# KiCad board mist.kicad_pcb
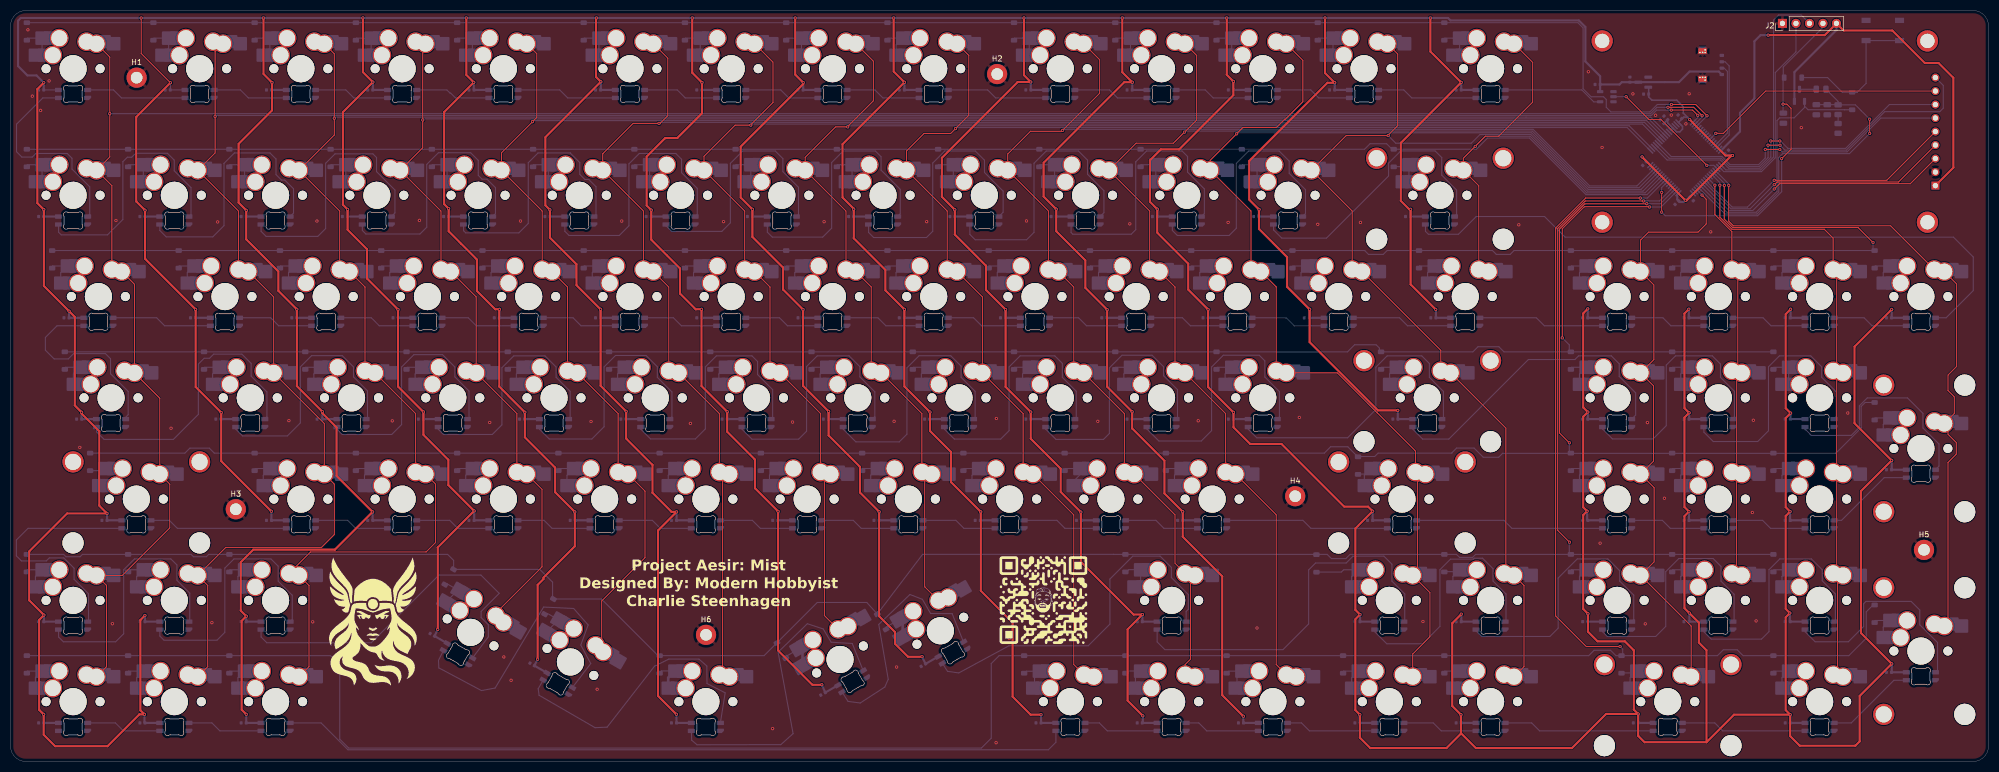
[diagram p0: board, top side]
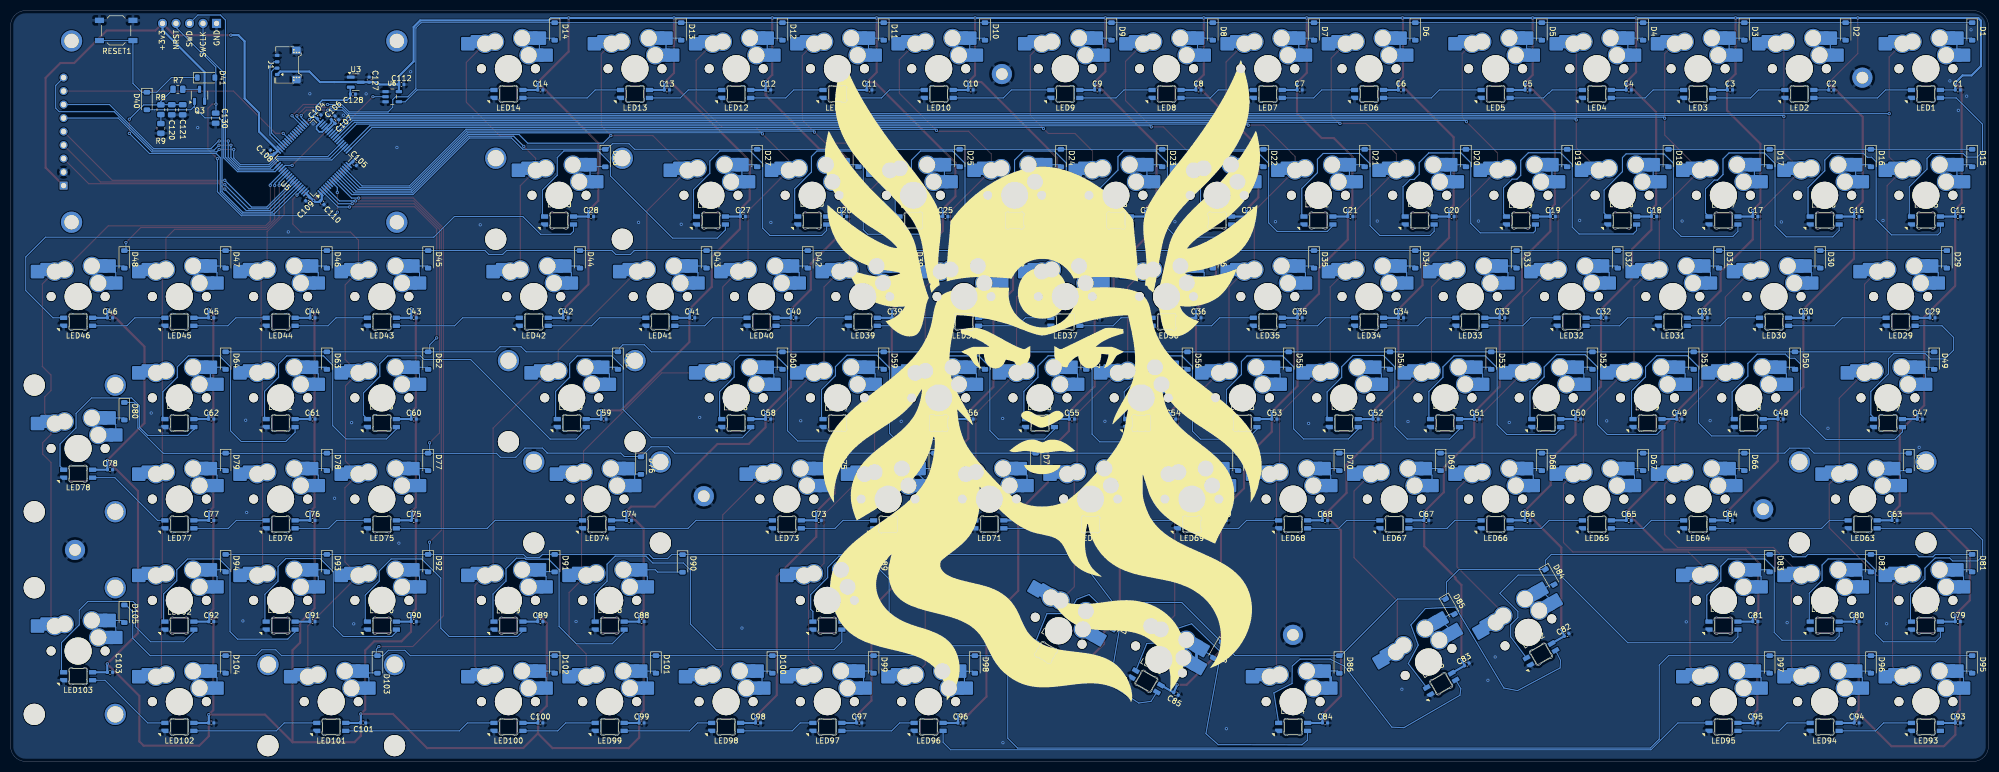
[diagram p1: board, bottom side, seen from below]

Outline 372.11 x 141.22 mm; copper layers: Top, Bottom. Coordinates in mm from the lower left corner of the outline.
Outline path: 369.43,141.21 369.58,141.2 369.72,141.18 369.85,141.16 369.99,141.13 370.12,141.09 370.26,141.04 370.38,140.99 370.51,140.94 370.63,140.87 370.75,140.81 370.86,140.73 370.97,140.65 371.08,140.57 371.18,140.48 371.28,140.39 371.37,140.29 371.46,140.19 371.55,140.08 371.63,139.97 371.7,139.86 371.77,139.74 371.83,139.62 371.89,139.49 371.94,139.36 371.98,139.23 372.02,139.1 372.05,138.96 372.08,138.82 372.1,138.68 372.11,138.54 372.11,138.39 372.11,2.82 372.11,2.68 372.1,2.53 372.08,2.39 372.05,2.26 372.02,2.12 371.98,1.99 371.94,1.85 371.89,1.73 371.83,1.6 371.77,1.48 371.7,1.36 371.63,1.25 371.55,1.14 371.46,1.03 371.37,0.93 371.28,0.83 371.18,0.74 371.08,0.65 370.97,0.56 370.86,0.48 370.75,0.41 370.63,0.34 370.51,0.28 370.38,0.22 370.26,0.17 370.12,0.13 369.99,0.09 369.85,0.06 369.72,0.03 369.58,0.01 369.43,0 369.29,0 2.82,0 2.68,0 2.53,0.01 2.39,0.03 2.26,0.06 2.12,0.09 1.99,0.13 1.85,0.17 1.73,0.22 1.6,0.28 1.48,0.34 1.36,0.41 1.25,0.48 1.14,0.56 1.03,0.65 0.93,0.74 0.83,0.83 0.74,0.93 0.65,1.03 0.56,1.14 0.48,1.25 0.41,1.36 0.34,1.48 0.28,1.6 0.22,1.73 0.17,1.85 0.13,1.99 0.09,2.12 0.06,2.26 0.03,2.39 0.01,2.53 0,2.68 0,2.82 0,138.39 0,138.54 0.01,138.68 0.03,138.82 0.06,138.96 0.09,139.1 0.13,139.23 0.17,139.36 0.22,139.49 0.28,139.62 0.34,139.74 0.41,139.86 0.48,139.97 0.56,140.08 0.65,140.19 0.74,140.29 0.83,140.39 0.93,140.48 1.03,140.57 1.14,140.65 1.25,140.73 1.36,140.81 1.48,140.87 1.6,140.94 1.73,140.99 1.85,141.04 1.99,141.09 2.12,141.13 2.26,141.16 2.39,141.18 2.53,141.2 2.68,141.21 2.82,141.22 369.29,141.22 closed
Stack: Top 0.035mm / dielectric 1.51mm FR4 er 4.5 / Bottom 0.035mm

## Placement (name value [footprint] x y rotation side)
C1  0.1uF  [C_0402_1005Metric]  5.75 126.3 180 bottom
C2  0.1uF  [C_0402_1005Metric]  29.56 126.3 180 bottom
C3  0.1uF  [C_0402_1005Metric]  48.61 126.3 180 bottom
C4  0.1uF  [C_0402_1005Metric]  67.66 126.3 180 bottom
C5  0.1uF  [C_0402_1005Metric]  86.71 126.3 180 bottom
C6  0.1uF  [C_0402_1005Metric]  110.52 126.3 180 bottom
C7  0.1uF  [C_0402_1005Metric]  129.57 126.3 180 bottom
C8  0.1uF  [C_0402_1005Metric]  148.62 126.3 180 bottom
C9  0.1uF  [C_0402_1005Metric]  167.67 126.3 180 bottom
C10  0.1uF  [C_0402_1005Metric]  191.49 126.3 180 bottom
C11  0.1uF  [C_0402_1005Metric]  210.54 126.3 180 bottom
C12  0.1uF  [C_0402_1005Metric]  229.59 126.3 180 bottom
C13  0.1uF  [C_0402_1005Metric]  248.64 126.3 180 bottom
C14  0.1uF  [C_0402_1005Metric]  272.45 126.3 180 bottom
C15  0.1uF  [C_0402_1005Metric]  5.75 102.48 180 bottom
C16  0.1uF  [C_0402_1005Metric]  24.8 102.48 180 bottom
C17  0.1uF  [C_0402_1005Metric]  43.85 102.48 180 bottom
C18  0.1uF  [C_0402_1005Metric]  62.9 102.48 180 bottom
C19  0.1uF  [C_0402_1005Metric]  81.95 102.48 180 bottom
C20  0.1uF  [C_0402_1005Metric]  101 102.48 180 bottom
C21  0.1uF  [C_0402_1005Metric]  120.05 102.48 180 bottom
C22  0.1uF  [C_0402_1005Metric]  139.1 102.48 180 bottom
C23  0.1uF  [C_0402_1005Metric]  158.15 102.48 180 bottom
C24  0.1uF  [C_0402_1005Metric]  177.2 102.48 180 bottom
C25  0.1uF  [C_0402_1005Metric]  196.25 102.48 180 bottom
C26  0.1uF  [C_0402_1005Metric]  215.3 102.48 180 bottom
C27  0.1uF  [C_0402_1005Metric]  234.35 102.48 180 bottom
C28  0.1uF  [C_0402_1005Metric]  262.92 102.48 180 bottom
C29  0.1uF  [C_0402_1005Metric]  10.51 83.43 180 bottom
C30  0.1uF  [C_0402_1005Metric]  34.32 83.43 180 bottom
C31  0.1uF  [C_0402_1005Metric]  53.37 83.43 180 bottom
C32  0.1uF  [C_0402_1005Metric]  72.42 83.43 180 bottom
C33  0.1uF  [C_0402_1005Metric]  91.47 83.43 180 bottom
C34  0.1uF  [C_0402_1005Metric]  110.52 83.43 180 bottom
C35  0.1uF  [C_0402_1005Metric]  129.57 83.43 180 bottom
C36  0.1uF  [C_0402_1005Metric]  148.62 83.43 180 bottom
C37  0.1uF  [C_0402_1005Metric]  167.67 83.43 180 bottom
C38  0.1uF  [C_0402_1005Metric]  186.72 83.43 180 bottom
C39  0.1uF  [C_0402_1005Metric]  205.77 83.43 180 bottom
C40  0.1uF  [C_0402_1005Metric]  224.82 83.43 180 bottom
C41  0.1uF  [C_0402_1005Metric]  243.87 83.43 180 bottom
C42  0.1uF  [C_0402_1005Metric]  267.69 83.43 180 bottom
C43  0.1uF  [C_0402_1005Metric]  296.26 83.43 180 bottom
C44  0.1uF  [C_0402_1005Metric]  315.31 83.43 180 bottom
C45  0.1uF  [C_0402_1005Metric]  334.36 83.43 180 bottom
C46  0.1uF  [C_0402_1005Metric]  353.41 83.43 180 bottom
C47  0.1uF  [C_0402_1005Metric]  12.89 64.38 180 bottom
C48  0.1uF  [C_0402_1005Metric]  39.09 64.38 180 bottom
C49  0.1uF  [C_0402_1005Metric]  58.14 64.38 180 bottom
C50  0.1uF  [C_0402_1005Metric]  77.19 64.38 180 bottom
C51  0.1uF  [C_0402_1005Metric]  96.24 64.38 180 bottom
C52  0.1uF  [C_0402_1005Metric]  115.29 64.38 180 bottom
C53  0.1uF  [C_0402_1005Metric]  134.34 64.38 180 bottom
C54  0.1uF  [C_0402_1005Metric]  153.39 64.38 180 bottom
C55  0.1uF  [C_0402_1005Metric]  172.44 64.38 180 bottom
C56  0.1uF  [C_0402_1005Metric]  191.49 64.38 180 bottom
C57  0.1uF  [C_0402_1005Metric]  210.54 64.38 180 bottom
C58  0.1uF  [C_0402_1005Metric]  229.59 64.38 180 bottom
C59  0.1uF  [C_0402_1005Metric]  260.54 64.38 180 bottom
C60  0.1uF  [C_0402_1005Metric]  296.26 64.38 180 bottom
C61  0.1uF  [C_0402_1005Metric]  315.31 64.38 180 bottom
C62  0.1uF  [C_0402_1005Metric]  334.36 64.38 180 bottom
C63  0.1uF  [C_0402_1005Metric]  17.65 45.33 180 bottom
C64  0.1uF  [C_0402_1005Metric]  48.61 45.33 180 bottom
C65  0.1uF  [C_0402_1005Metric]  67.66 45.33 180 bottom
C66  0.1uF  [C_0402_1005Metric]  86.71 45.33 180 bottom
C67  0.1uF  [C_0402_1005Metric]  105.76 45.33 180 bottom
C68  0.1uF  [C_0402_1005Metric]  124.81 45.33 180 bottom
C69  0.1uF  [C_0402_1005Metric]  143.86 45.33 180 bottom
C70  0.1uF  [C_0402_1005Metric]  162.91 45.33 180 bottom
C71  0.1uF  [C_0402_1005Metric]  181.96 45.33 180 bottom
C72  0.1uF  [C_0402_1005Metric]  201.01 45.33 180 bottom
C73  0.1uF  [C_0402_1005Metric]  220.06 45.33 180 bottom
C74  0.1uF  [C_0402_1005Metric]  255.78 45.33 180 bottom
C75  0.1uF  [C_0402_1005Metric]  296.26 45.33 180 bottom
C76  0.1uF  [C_0402_1005Metric]  315.31 45.33 180 bottom
C77  0.1uF  [C_0402_1005Metric]  334.36 45.33 180 bottom
C78  0.1uF  [C_0402_1005Metric]  353.41 54.86 180 bottom
C79  0.1uF  [C_0402_1005Metric]  5.75 26.28 180 bottom
C80  0.1uF  [C_0402_1005Metric]  24.8 26.28 180 bottom
C81  0.1uF  [C_0402_1005Metric]  43.85 26.28 180 bottom
C82  0.1uF  [C_0402_1005Metric]  79.35 23.81 150 bottom
C83  0.1uF  [C_0402_1005Metric]  98.13 18.24 150 bottom
C84  0.1uF  [C_0402_1005Metric]  124.81 7.23 180 bottom
C85  0.1uF  [C_0402_1005Metric]  152.85 12.7 210 bottom
C86  0.1uF  [C_0402_1005Metric]  171.73 18.1 210 bottom
C87  0.1uF  [C_0402_1005Metric]  212.44 26.28 180 bottom
C88  0.1uF  [C_0402_1005Metric]  253.4 26.28 180 bottom
C89  0.1uF  [C_0402_1005Metric]  272.45 26.28 180 bottom
C90  0.1uF  [C_0402_1005Metric]  296.26 26.28 180 bottom
C91  0.1uF  [C_0402_1005Metric]  315.31 26.28 180 bottom
C92  0.1uF  [C_0402_1005Metric]  334.36 26.28 180 bottom
C93  0.1uF  [C_0402_1005Metric]  5.75 7.23 180 bottom
C94  0.1uF  [C_0402_1005Metric]  24.8 7.23 180 bottom
C95  0.1uF  [C_0402_1005Metric]  43.85 7.23 180 bottom
C96  0.1uF  [C_0402_1005Metric]  193.39 7.23 180 bottom
C97  0.1uF  [C_0402_1005Metric]  212.44 7.23 180 bottom
C98  0.1uF  [C_0402_1005Metric]  231.49 7.23 180 bottom
C99  0.1uF  [C_0402_1005Metric]  253.4 7.23 180 bottom
C100  0.1uF  [C_0402_1005Metric]  272.45 7.23 180 bottom
C101  0.1uF  [C_0402_1005Metric]  305.79 7.23 180 bottom
C102  0.1uF  [C_0402_1005Metric]  334.36 7.23 180 bottom
C103  0.1uF  [C_0402_1005Metric]  353.41 16.76 180 bottom
C104  100nF  [C_0402_1005Metric]  314.06 121.25 135 bottom
C105  100nF  [C_0402_1005Metric]  307.41 112.44 225 bottom
C106  100nF  [C_0402_1005Metric]  311.42 121.05 135 bottom
C107  100nF  [C_0402_1005Metric]  310.72 120.35 135 bottom
C108  100nF  [C_0402_1005Metric]  322.88 114.64 45 bottom
C109  100nF  [C_0402_1005Metric]  316.26 105.8 315 bottom
C110  100nF  [C_0402_1005Metric]  313.5 105.1 225 bottom
C112  0.1uF  [C_0402_1005Metric]  298.59 127.33 180 bottom
C120  100n  [C_0805_2012Metric]  341.8 122.58 90 bottom
C121  100n  [C_0805_2012Metric]  339.74 122.58 90 bottom
C127  1uF  [C_0402_1005Metric]  304.66 128.24 90 bottom
C128  1uF  [C_0402_1005Metric]  307.72 125.52 180 bottom
C130  100n  [C_0805_2012Metric]  333.54 120.99 90 bottom
CH1  KS33_SW_HS  [KS-33_MX-Hotswap-1U]  11.75 130.3 0 bottom
CH2  KS33_SW_HS  [KS-33_MX-Hotswap-1U]  35.56 130.3 0 bottom
CH3  KS33_SW_HS  [KS-33_MX-Hotswap-1U]  54.61 130.3 0 bottom
CH4  KS33_SW_HS  [KS-33_MX-Hotswap-1U]  73.66 130.3 0 bottom
CH5  KS33_SW_HS  [KS-33_MX-Hotswap-1U]  92.71 130.3 0 bottom
CH6  KS33_SW_HS  [KS-33_MX-Hotswap-1U]  116.52 130.3 0 bottom
CH7  KS33_SW_HS  [KS-33_MX-Hotswap-1U]  135.57 130.3 0 bottom
CH8  KS33_SW_HS  [KS-33_MX-Hotswap-1U]  154.62 130.3 0 bottom
CH9  KS33_SW_HS  [KS-33_MX-Hotswap-1U]  173.67 130.3 0 bottom
CH10  KS33_SW_HS  [KS-33_MX-Hotswap-1U]  197.49 130.3 0 bottom
CH11  KS33_SW_HS  [KS-33_MX-Hotswap-1U]  216.54 130.3 0 bottom
CH12  KS33_SW_HS  [KS-33_MX-Hotswap-1U]  235.59 130.3 0 bottom
CH13  KS33_SW_HS  [KS-33_MX-Hotswap-1U]  254.64 130.3 0 bottom
CH14  KS33_SW_HS  [KS-33_MX-Hotswap-1U]  278.45 130.3 0 bottom
CH15  KS33_SW_HS  [KS-33_MX-Hotswap-1U]  11.75 106.48 0 bottom
CH16  KS33_SW_HS  [KS-33_MX-Hotswap-1U]  30.8 106.48 0 bottom
CH17  KS33_SW_HS  [KS-33_MX-Hotswap-1U]  49.85 106.48 0 bottom
CH18  KS33_SW_HS  [KS-33_MX-Hotswap-1U]  68.9 106.48 0 bottom
CH19  KS33_SW_HS  [KS-33_MX-Hotswap-1U]  87.95 106.48 0 bottom
CH20  KS33_SW_HS  [KS-33_MX-Hotswap-1U]  107 106.48 0 bottom
CH21  KS33_SW_HS  [KS-33_MX-Hotswap-1U]  126.05 106.48 0 bottom
CH22  KS33_SW_HS  [KS-33_MX-Hotswap-1U]  145.1 106.48 0 bottom
CH23  KS33_SW_HS  [KS-33_MX-Hotswap-1U]  164.15 106.48 0 bottom
CH24  KS33_SW_HS  [KS-33_MX-Hotswap-1U]  183.2 106.48 0 bottom
CH25  KS33_SW_HS  [KS-33_MX-Hotswap-1U]  202.25 106.48 0 bottom
CH26  KS33_SW_HS  [KS-33_MX-Hotswap-1U]  221.3 106.48 0 bottom
CH27  KS33_SW_HS  [KS-33_MX-Hotswap-1U]  240.35 106.48 0 bottom
CH28  KS33_SW_HS  [KS-33_MX-Hotswap-1U]  268.92 106.48 0 bottom
CH29  KS33_SW_HS  [KS-33_MX-Hotswap-1U]  16.51 87.43 0 bottom
CH30  KS33_SW_HS  [KS-33_MX-Hotswap-1U]  40.32 87.43 0 bottom
CH31  KS33_SW_HS  [KS-33_MX-Hotswap-1U]  59.37 87.43 0 bottom
CH32  KS33_SW_HS  [KS-33_MX-Hotswap-1U]  78.42 87.43 0 bottom
CH33  KS33_SW_HS  [KS-33_MX-Hotswap-1U]  97.47 87.43 0 bottom
CH34  KS33_SW_HS  [KS-33_MX-Hotswap-1U]  116.52 87.43 0 bottom
CH35  KS33_SW_HS  [KS-33_MX-Hotswap-1U]  135.57 87.43 0 bottom
CH36  KS33_SW_HS  [KS-33_MX-Hotswap-1U]  154.62 87.43 0 bottom
CH37  KS33_SW_HS  [KS-33_MX-Hotswap-1U]  173.67 87.43 0 bottom
CH38  KS33_SW_HS  [KS-33_MX-Hotswap-1U]  192.72 87.43 0 bottom
CH39  KS33_SW_HS  [KS-33_MX-Hotswap-1U]  211.77 87.43 0 bottom
CH40  KS33_SW_HS  [KS-33_MX-Hotswap-1U]  230.82 87.43 0 bottom
CH41  KS33_SW_HS  [KS-33_MX-Hotswap-1U]  249.87 87.43 0 bottom
CH42  KS33_SW_HS  [KS-33_MX-Hotswap-1U]  273.69 87.43 0 bottom
CH43  KS33_SW_HS  [KS-33_MX-Hotswap-1U]  302.26 87.43 0 bottom
CH44  KS33_SW_HS  [KS-33_MX-Hotswap-1U]  321.31 87.43 0 bottom
CH45  KS33_SW_HS  [KS-33_MX-Hotswap-1U]  340.36 87.43 0 bottom
CH46  KS33_SW_HS  [KS-33_MX-Hotswap-1U]  359.41 87.43 0 bottom
CH47  KS33_SW_HS  [KS-33_MX-Hotswap-1U]  18.89 68.38 0 bottom
CH48  KS33_SW_HS  [KS-33_MX-Hotswap-1U]  45.09 68.38 0 bottom
CH49  KS33_SW_HS  [KS-33_MX-Hotswap-1U]  64.14 68.38 0 bottom
CH50  KS33_SW_HS  [KS-33_MX-Hotswap-1U]  83.19 68.38 0 bottom
CH51  KS33_SW_HS  [KS-33_MX-Hotswap-1U]  102.24 68.38 0 bottom
CH52  KS33_SW_HS  [KS-33_MX-Hotswap-1U]  121.29 68.38 0 bottom
CH53  KS33_SW_HS  [KS-33_MX-Hotswap-1U]  140.34 68.38 0 bottom
CH54  KS33_SW_HS  [KS-33_MX-Hotswap-1U]  159.39 68.38 0 bottom
CH55  KS33_SW_HS  [KS-33_MX-Hotswap-1U]  178.44 68.38 0 bottom
CH56  KS33_SW_HS  [KS-33_MX-Hotswap-1U]  197.49 68.38 0 bottom
CH57  KS33_SW_HS  [KS-33_MX-Hotswap-1U]  216.54 68.38 0 bottom
CH58  KS33_SW_HS  [KS-33_MX-Hotswap-1U]  235.59 68.38 0 bottom
CH59  KS33_SW_HS  [KS-33_MX-Hotswap-1U]  266.54 68.38 0 bottom
CH60  KS33_SW_HS  [KS-33_MX-Hotswap-1U]  302.26 68.38 0 bottom
CH61  KS33_SW_HS  [KS-33_MX-Hotswap-1U]  321.31 68.38 0 bottom
CH62  KS33_SW_HS  [KS-33_MX-Hotswap-1U]  340.36 68.38 0 bottom
CH63  KS33_SW_HS  [KS-33_MX-Hotswap-1U]  23.65 49.33 0 bottom
CH64  KS33_SW_HS  [KS-33_MX-Hotswap-1U]  54.61 49.33 0 bottom
CH65  KS33_SW_HS  [KS-33_MX-Hotswap-1U]  73.66 49.33 0 bottom
CH66  KS33_SW_HS  [KS-33_MX-Hotswap-1U]  92.71 49.33 0 bottom
CH67  KS33_SW_HS  [KS-33_MX-Hotswap-1U]  111.76 49.33 0 bottom
CH68  KS33_SW_HS  [KS-33_MX-Hotswap-1U]  130.81 49.33 0 bottom
CH69  KS33_SW_HS  [KS-33_MX-Hotswap-1U]  149.86 49.33 0 bottom
CH70  KS33_SW_HS  [KS-33_MX-Hotswap-1U]  168.91 49.33 0 bottom
CH71  KS33_SW_HS  [KS-33_MX-Hotswap-1U]  187.96 49.33 0 bottom
CH72  KS33_SW_HS  [KS-33_MX-Hotswap-1U]  207.01 49.33 0 bottom
CH73  KS33_SW_HS  [KS-33_MX-Hotswap-1U]  226.06 49.33 0 bottom
CH74  KS33_SW_HS  [KS-33_MX-Hotswap-1U]  261.78 49.33 0 bottom
CH75  KS33_SW_HS  [KS-33_MX-Hotswap-1U]  302.26 49.33 0 bottom
CH76  KS33_SW_HS  [KS-33_MX-Hotswap-1U]  321.31 49.33 0 bottom
CH77  KS33_SW_HS  [KS-33_MX-Hotswap-1U]  340.36 49.33 0 bottom
CH78  KS33_SW_HS  [KS-33_MX-Hotswap-1U]  359.41 58.86 0 bottom
CH79  KS33_SW_HS  [KS-33_MX-Hotswap-1U]  11.75 30.28 0 bottom
CH80  KS33_SW_HS  [KS-33_MX-Hotswap-1U]  30.8 30.28 0 bottom
CH81  KS33_SW_HS  [KS-33_MX-Hotswap-1U]  49.85 30.28 0 bottom
CH82  KS33_SW_HS  [KS-33_MX-Hotswap-1U]  86.54 24.27 330 bottom
CH83  KS33_SW_HS  [KS-33_MX-Hotswap-1U]  105.33 18.7 330 bottom
CH84  KS33_SW_HS  [KS-33_MX-Hotswap-1U]  130.81 11.23 0 bottom
CH85  KS33_SW_HS  [KS-33_MX-Hotswap-1U]  156.04 19.17 30 bottom
CH86  KS33_SW_HS  [KS-33_MX-Hotswap-1U]  174.92 24.57 30 bottom
CH87  KS33_SW_HS  [KS-33_MX-Hotswap-1U]  218.44 30.28 0 bottom
CH88  KS33_SW_HS  [KS-33_MX-Hotswap-1U]  259.4 30.28 0 bottom
CH89  KS33_SW_HS  [KS-33_MX-Hotswap-1U]  278.45 30.28 0 bottom
CH90  KS33_SW_HS  [KS-33_MX-Hotswap-1U]  302.26 30.28 0 bottom
CH91  KS33_SW_HS  [KS-33_MX-Hotswap-1U]  321.31 30.28 0 bottom
CH92  KS33_SW_HS  [KS-33_MX-Hotswap-1U]  340.36 30.28 0 bottom
CH93  KS33_SW_HS  [KS-33_MX-Hotswap-1U]  11.75 11.23 0 bottom
CH94  KS33_SW_HS  [KS-33_MX-Hotswap-1U]  30.8 11.23 0 bottom
CH95  KS33_SW_HS  [KS-33_MX-Hotswap-1U]  49.85 11.23 0 bottom
CH96  KS33_SW_HS  [KS-33_MX-Hotswap-1U]  199.39 11.23 0 bottom
CH97  KS33_SW_HS  [KS-33_MX-Hotswap-1U]  218.44 11.23 0 bottom
CH98  KS33_SW_HS  [KS-33_MX-Hotswap-1U]  237.49 11.23 0 bottom
CH99  KS33_SW_HS  [KS-33_MX-Hotswap-1U]  259.4 11.23 0 bottom
CH100  KS33_SW_HS  [KS-33_MX-Hotswap-1U]  278.45 11.23 0 bottom
CH101  KS33_SW_HS  [KS-33_MX-Hotswap-1U]  311.79 11.23 0 bottom
CH102  KS33_SW_HS  [KS-33_MX-Hotswap-1U]  340.36 11.23 0 bottom
CH103  KS33_SW_HS  [KS-33_MX-Hotswap-1U]  359.41 20.76 0 bottom
D1  D  [D_SOD-123]  3.05 137.3 270 bottom
D2  D  [D_SOD-123]  26.86 137.3 270 bottom
D3  D  [D_SOD-123]  45.91 137.3 270 bottom
D4  D  [D_SOD-123]  64.96 137.3 270 bottom
D5  D  [D_SOD-123]  84.01 137.3 270 bottom
D6  D  [D_SOD-123]  107.82 137.3 270 bottom
D7  D  [D_SOD-123]  126.87 137.3 270 bottom
D8  D  [D_SOD-123]  145.92 137.3 270 bottom
D9  D  [D_SOD-123]  164.97 137.3 270 bottom
D10  D  [D_SOD-123]  188.79 137.3 270 bottom
D11  D  [D_SOD-123]  207.84 137.3 270 bottom
D12  D  [D_SOD-123]  226.89 137.3 270 bottom
D13  D  [D_SOD-123]  245.94 137.3 270 bottom
D14  D  [D_SOD-123]  269.75 137.3 270 bottom
D15  D  [D_SOD-123]  3.05 113.48 270 bottom
D16  D  [D_SOD-123]  22.1 113.48 270 bottom
D17  D  [D_SOD-123]  41.15 113.48 270 bottom
D18  D  [D_SOD-123]  60.2 113.48 270 bottom
D19  D  [D_SOD-123]  79.25 113.48 270 bottom
D20  D  [D_SOD-123]  98.3 113.48 270 bottom
D21  D  [D_SOD-123]  117.35 113.48 270 bottom
D22  D  [D_SOD-123]  136.4 113.48 270 bottom
D23  D  [D_SOD-123]  155.45 113.48 270 bottom
D24  D  [D_SOD-123]  174.5 113.48 270 bottom
D25  D  [D_SOD-123]  193.55 113.48 270 bottom
D26  D  [D_SOD-123]  212.6 113.48 270 bottom
D27  D  [D_SOD-123]  231.65 113.48 270 bottom
D28  D  [D_SOD-123]  260.22 113.48 270 bottom
D29  D  [D_SOD-123]  7.81 94.43 270 bottom
D30  D  [D_SOD-123]  31.62 94.43 270 bottom
D31  D  [D_SOD-123]  50.67 94.43 270 bottom
D32  D  [D_SOD-123]  69.72 94.43 270 bottom
D33  D  [D_SOD-123]  88.77 94.43 270 bottom
D34  D  [D_SOD-123]  107.82 94.43 270 bottom
D35  D  [D_SOD-123]  126.87 94.43 270 bottom
D36  D  [D_SOD-123]  145.92 94.43 270 bottom
D37  D  [D_SOD-123]  164.97 94.43 270 bottom
D38  D  [D_SOD-123]  184.02 94.43 270 bottom
D39  D  [D_SOD-123]  203.07 94.43 270 bottom
D40  1N4148  [D_SOD-123]  346.48 124.22 270 bottom
D41  1N4148  [D_SOD-123]  335.34 128.62 180 bottom
D42  D  [D_SOD-123]  222.12 94.43 270 bottom
D43  D  [D_SOD-123]  241.17 94.43 270 bottom
D44  D  [D_SOD-123]  264.99 94.43 270 bottom
D45  D  [D_SOD-123]  293.56 94.43 270 bottom
D46  D  [D_SOD-123]  312.61 94.43 270 bottom
D47  D  [D_SOD-123]  331.66 94.43 270 bottom
D48  D  [D_SOD-123]  350.71 94.43 270 bottom
D49  D  [D_SOD-123]  10.19 75.38 270 bottom
D50  D  [D_SOD-123]  36.39 75.38 270 bottom
D51  D  [D_SOD-123]  55.44 75.38 270 bottom
D52  D  [D_SOD-123]  74.49 75.38 270 bottom
D53  D  [D_SOD-123]  93.54 75.38 270 bottom
D54  D  [D_SOD-123]  112.59 75.38 270 bottom
D55  D  [D_SOD-123]  131.64 75.38 270 bottom
D56  D  [D_SOD-123]  150.69 75.38 270 bottom
D57  D  [D_SOD-123]  169.74 75.38 270 bottom
D58  D  [D_SOD-123]  188.79 75.38 270 bottom
D59  D  [D_SOD-123]  207.84 75.38 270 bottom
D60  D  [D_SOD-123]  226.89 75.38 270 bottom
D61  D  [D_SOD-123]  257.84 75.38 270 bottom
D62  D  [D_SOD-123]  293.56 75.38 270 bottom
D63  D  [D_SOD-123]  312.61 75.38 270 bottom
D64  D  [D_SOD-123]  331.66 75.38 270 bottom
D65  D  [D_SOD-123]  14.95 56.33 270 bottom
D66  D  [D_SOD-123]  45.91 56.33 270 bottom
D67  D  [D_SOD-123]  64.96 56.33 270 bottom
D68  D  [D_SOD-123]  84.01 56.33 270 bottom
D69  D  [D_SOD-123]  103.06 56.33 270 bottom
D70  D  [D_SOD-123]  122.11 56.33 270 bottom
D71  D  [D_SOD-123]  141.16 56.33 270 bottom
D72  D  [D_SOD-123]  160.21 56.33 270 bottom
D73  D  [D_SOD-123]  179.26 56.33 270 bottom
D74  D  [D_SOD-123]  198.31 56.33 270 bottom
D75  D  [D_SOD-123]  217.36 56.33 270 bottom
D76  D  [D_SOD-123]  253.51 55.64 270 bottom
D77  D  [D_SOD-123]  293.56 56.33 270 bottom
D78  D  [D_SOD-123]  312.61 56.33 270 bottom
D79  D  [D_SOD-123]  331.66 56.33 270 bottom
D80  D  [D_SOD-123]  350.71 65.86 270 bottom
D81  D  [D_SOD-123]  3.05 37.28 270 bottom
D82  D  [D_SOD-123]  22.1 37.28 270 bottom
D83  D  [D_SOD-123]  41.15 37.28 270 bottom
D84  D  [D_SOD-123]  82.51 34.68 240 bottom
D85  D  [D_SOD-123]  101.29 29.12 240 bottom
D86  D  [D_SOD-123]  122.11 18.23 270 bottom
D87  D  [D_SOD-123]  145.01 20.88 300 bottom
D88  D  [D_SOD-123]  163.89 26.28 300 bottom
D89  D  [D_SOD-123]  209.74 37.28 270 bottom
D90  D  [D_SOD-123]  245.69 37.24 270 bottom
D91  D  [D_SOD-123]  269.75 37.28 270 bottom
D92  D  [D_SOD-123]  293.56 37.28 270 bottom
D93  D  [D_SOD-123]  312.61 37.28 270 bottom
D94  D  [D_SOD-123]  331.66 37.28 270 bottom
D95  D  [D_SOD-123]  3.05 18.23 270 bottom
D96  D  [D_SOD-123]  22.1 18.23 270 bottom
D97  D  [D_SOD-123]  41.15 18.23 270 bottom
D98  D  [D_SOD-123]  190.69 18.23 270 bottom
D99  D  [D_SOD-123]  209.74 18.23 270 bottom
D100  D  [D_SOD-123]  228.79 18.23 270 bottom
D101  D  [D_SOD-123]  250.7 18.23 270 bottom
D102  D  [D_SOD-123]  269.75 18.23 270 bottom
D103  D  [D_SOD-123]  303.09 18.23 270 bottom
D104  D  [D_SOD-123]  331.66 18.23 270 bottom
D105  D  [D_SOD-123]  350.71 27.76 270 bottom
H1  MountingHole_Pad  [MountingHole_2.2mm_M2_DIN965_Pad]  23.71 128.61 0 top
H2  MountingHole_Pad  [MountingHole_2.2mm_M2_DIN965_Pad]  185.61 129.29 0 top
H3  MountingHole_Pad  [MountingHole_2.2mm_M2_DIN965_Pad]  42.37 47.43 0 top
H4  MountingHole_Pad  [MountingHole_2.2mm_M2_DIN965_Pad]  241.69 49.88 0 top
H5  MountingHole_Pad  [MountingHole_2.2mm_M2_DIN965_Pad]  360 39.78 0 top
H6  MountingHole_Pad  [MountingHole_2.2mm_M2_DIN965_Pad]  130.84 23.8 0 top
J1  78171-0004  [Molex_Pico-EZmate_78171-0004_1x04-1MP_P1.20mm_Vertical]  320.08 131 90 bottom
J2  Conn_01x05  [PinHeader_1x05_P2.54mm_Vertical]  333.37 138.82 90 top
LED1  choc_SK6812MINI-E  [LED_choc_6028R]  11.75 125.55 0 bottom
LED2  choc_SK6812MINI-E  [LED_choc_6028R]  35.56 125.55 0 bottom
LED3  choc_SK6812MINI-E  [LED_choc_6028R]  54.61 125.55 0 bottom
LED4  choc_SK6812MINI-E  [LED_choc_6028R]  73.66 125.55 0 bottom
LED5  choc_SK6812MINI-E  [LED_choc_6028R]  92.71 125.55 0 bottom
LED6  choc_SK6812MINI-E  [LED_choc_6028R]  116.52 125.55 0 bottom
LED7  choc_SK6812MINI-E  [LED_choc_6028R]  135.57 125.55 0 bottom
LED8  choc_SK6812MINI-E  [LED_choc_6028R]  154.62 125.55 0 bottom
LED9  choc_SK6812MINI-E  [LED_choc_6028R]  173.67 125.55 0 bottom
LED10  choc_SK6812MINI-E  [LED_choc_6028R]  197.49 125.55 0 bottom
LED11  choc_SK6812MINI-E  [LED_choc_6028R]  216.54 125.55 0 bottom
LED12  choc_SK6812MINI-E  [LED_choc_6028R]  235.59 125.55 0 bottom
LED13  choc_SK6812MINI-E  [LED_choc_6028R]  254.64 125.55 0 bottom
LED14  choc_SK6812MINI-E  [LED_choc_6028R]  278.45 125.55 0 bottom
LED15  choc_SK6812MINI-E  [LED_choc_6028R]  11.75 101.73 0 bottom
LED16  choc_SK6812MINI-E  [LED_choc_6028R]  30.8 101.73 0 bottom
LED17  choc_SK6812MINI-E  [LED_choc_6028R]  49.85 101.73 0 bottom
LED18  choc_SK6812MINI-E  [LED_choc_6028R]  68.9 101.73 0 bottom
LED19  choc_SK6812MINI-E  [LED_choc_6028R]  87.95 101.73 0 bottom
LED20  choc_SK6812MINI-E  [LED_choc_6028R]  107 101.73 0 bottom
LED21  choc_SK6812MINI-E  [LED_choc_6028R]  126.05 101.73 0 bottom
LED22  choc_SK6812MINI-E  [LED_choc_6028R]  145.1 101.73 0 bottom
LED23  choc_SK6812MINI-E  [LED_choc_6028R]  164.15 101.73 0 bottom
LED24  choc_SK6812MINI-E  [LED_choc_6028R]  183.2 101.73 0 bottom
LED25  choc_SK6812MINI-E  [LED_choc_6028R]  202.25 101.73 0 bottom
LED26  choc_SK6812MINI-E  [LED_choc_6028R]  221.3 101.73 0 bottom
LED27  choc_SK6812MINI-E  [LED_choc_6028R]  240.35 101.73 0 bottom
LED28  choc_SK6812MINI-E  [LED_choc_6028R]  268.92 101.73 0 bottom
LED29  choc_SK6812MINI-E  [LED_choc_6028R]  16.51 82.68 0 bottom
LED30  choc_SK6812MINI-E  [LED_choc_6028R]  40.32 82.68 0 bottom
LED31  choc_SK6812MINI-E  [LED_choc_6028R]  59.37 82.68 0 bottom
LED32  choc_SK6812MINI-E  [LED_choc_6028R]  78.42 82.68 0 bottom
LED33  choc_SK6812MINI-E  [LED_choc_6028R]  97.47 82.68 0 bottom
LED34  choc_SK6812MINI-E  [LED_choc_6028R]  116.52 82.68 0 bottom
LED35  choc_SK6812MINI-E  [LED_choc_6028R]  135.57 82.68 0 bottom
LED36  choc_SK6812MINI-E  [LED_choc_6028R]  154.62 82.68 0 bottom
LED37  choc_SK6812MINI-E  [LED_choc_6028R]  173.67 82.68 0 bottom
LED38  choc_SK6812MINI-E  [LED_choc_6028R]  192.72 82.68 0 bottom
LED39  choc_SK6812MINI-E  [LED_choc_6028R]  211.77 82.68 0 bottom
LED40  choc_SK6812MINI-E  [LED_choc_6028R]  230.82 82.68 0 bottom
LED41  choc_SK6812MINI-E  [LED_choc_6028R]  249.87 82.68 0 bottom
LED42  choc_SK6812MINI-E  [LED_choc_6028R]  273.69 82.68 0 bottom
LED43  choc_SK6812MINI-E  [LED_choc_6028R]  302.26 82.68 0 bottom
LED44  choc_SK6812MINI-E  [LED_choc_6028R]  321.31 82.68 0 bottom
LED45  choc_SK6812MINI-E  [LED_choc_6028R]  340.36 82.68 0 bottom
LED46  choc_SK6812MINI-E  [LED_choc_6028R]  359.41 82.68 0 bottom
LED47  choc_SK6812MINI-E  [LED_choc_6028R]  18.89 63.63 0 bottom
LED48  choc_SK6812MINI-E  [LED_choc_6028R]  45.09 63.63 0 bottom
LED49  choc_SK6812MINI-E  [LED_choc_6028R]  64.14 63.63 0 bottom
LED50  choc_SK6812MINI-E  [LED_choc_6028R]  83.19 63.63 0 bottom
LED51  choc_SK6812MINI-E  [LED_choc_6028R]  102.24 63.63 0 bottom
LED52  choc_SK6812MINI-E  [LED_choc_6028R]  121.29 63.63 0 bottom
LED53  choc_SK6812MINI-E  [LED_choc_6028R]  140.34 63.63 0 bottom
LED54  choc_SK6812MINI-E  [LED_choc_6028R]  159.39 63.63 0 bottom
LED55  choc_SK6812MINI-E  [LED_choc_6028R]  178.44 63.63 0 bottom
LED56  choc_SK6812MINI-E  [LED_choc_6028R]  197.49 63.63 0 bottom
LED57  choc_SK6812MINI-E  [LED_choc_6028R]  216.54 63.63 0 bottom
LED58  choc_SK6812MINI-E  [LED_choc_6028R]  235.59 63.63 0 bottom
LED59  choc_SK6812MINI-E  [LED_choc_6028R]  266.54 63.63 0 bottom
LED60  choc_SK6812MINI-E  [LED_choc_6028R]  302.26 63.63 0 bottom
LED61  choc_SK6812MINI-E  [LED_choc_6028R]  321.31 63.63 0 bottom
LED62  choc_SK6812MINI-E  [LED_choc_6028R]  340.36 63.63 0 bottom
LED63  choc_SK6812MINI-E  [LED_choc_6028R]  23.65 44.58 0 bottom
LED64  choc_SK6812MINI-E  [LED_choc_6028R]  54.61 44.58 0 bottom
LED65  choc_SK6812MINI-E  [LED_choc_6028R]  73.66 44.58 0 bottom
LED66  choc_SK6812MINI-E  [LED_choc_6028R]  92.71 44.58 0 bottom
LED67  choc_SK6812MINI-E  [LED_choc_6028R]  111.76 44.58 0 bottom
LED68  choc_SK6812MINI-E  [LED_choc_6028R]  130.81 44.58 0 bottom
LED69  choc_SK6812MINI-E  [LED_choc_6028R]  149.86 44.58 0 bottom
LED70  choc_SK6812MINI-E  [LED_choc_6028R]  168.91 44.58 0 bottom
LED71  choc_SK6812MINI-E  [LED_choc_6028R]  187.96 44.58 0 bottom
LED72  choc_SK6812MINI-E  [LED_choc_6028R]  207.01 44.58 0 bottom
LED73  choc_SK6812MINI-E  [LED_choc_6028R]  226.06 44.58 0 bottom
LED74  choc_SK6812MINI-E  [LED_choc_6028R]  261.78 44.58 0 bottom
LED75  choc_SK6812MINI-E  [LED_choc_6028R]  302.26 44.58 0 bottom
LED76  choc_SK6812MINI-E  [LED_choc_6028R]  321.31 44.58 0 bottom
LED77  choc_SK6812MINI-E  [LED_choc_6028R]  340.36 44.58 0 bottom
LED78  choc_SK6812MINI-E  [LED_choc_6028R]  359.41 54.11 0 bottom
LED79  choc_SK6812MINI-E  [LED_choc_6028R]  11.75 25.53 0 bottom
LED80  choc_SK6812MINI-E  [LED_choc_6028R]  30.8 25.53 0 bottom
LED81  choc_SK6812MINI-E  [LED_choc_6028R]  49.85 25.53 0 bottom
LED82  choc_SK6812MINI-E  [LED_choc_6028R]  84.17 20.16 330 bottom
LED83  choc_SK6812MINI-E  [LED_choc_6028R]  102.95 14.59 330 bottom
LED84  choc_SK6812MINI-E  [LED_choc_6028R]  130.81 6.48 0 bottom
LED85  choc_SK6812MINI-E  [LED_choc_6028R]  158.42 15.05 30 bottom
LED86  choc_SK6812MINI-E  [LED_choc_6028R]  177.3 20.46 30 bottom
LED87  choc_SK6812MINI-E  [LED_choc_6028R]  218.44 25.53 0 bottom